# KiCad board chew_v1.kicad_pcb
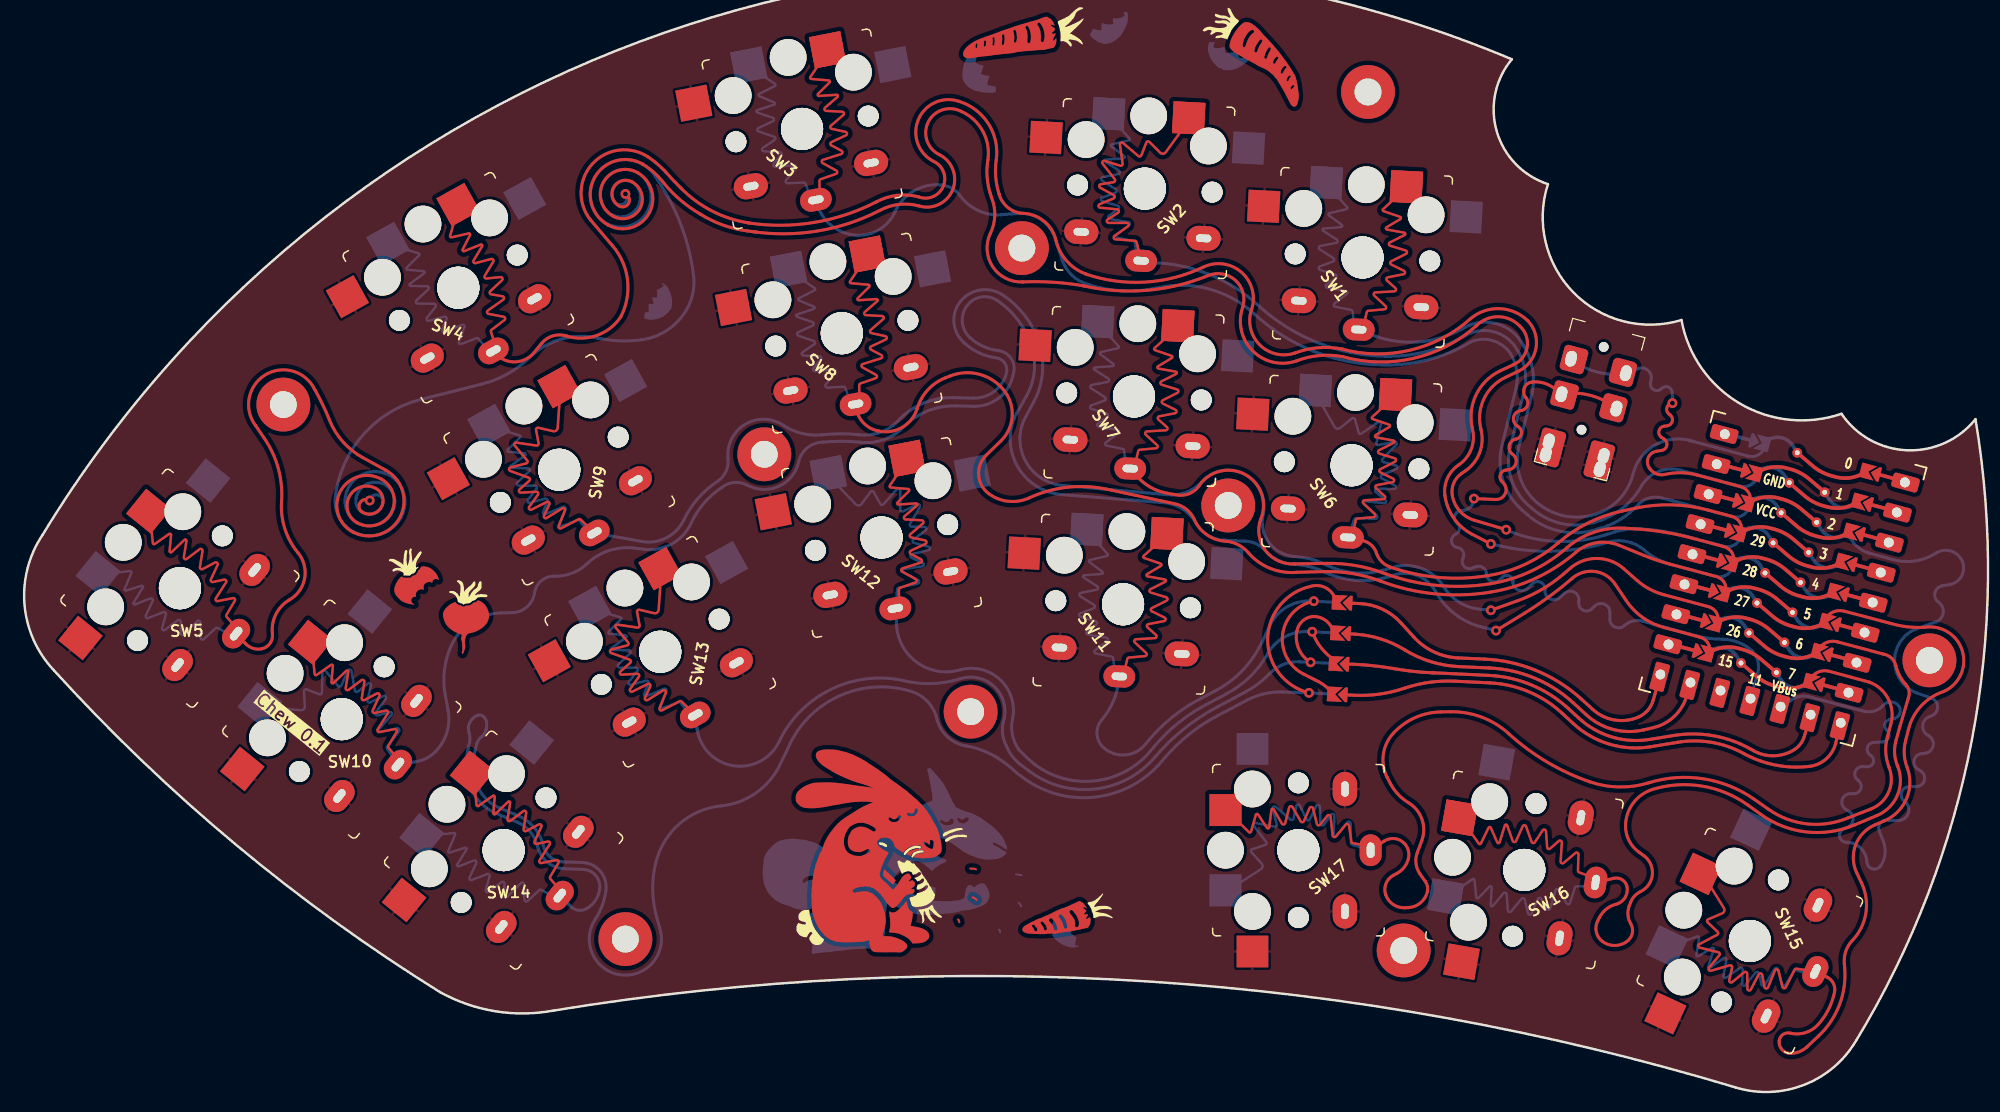
[diagram p0: board, top side]
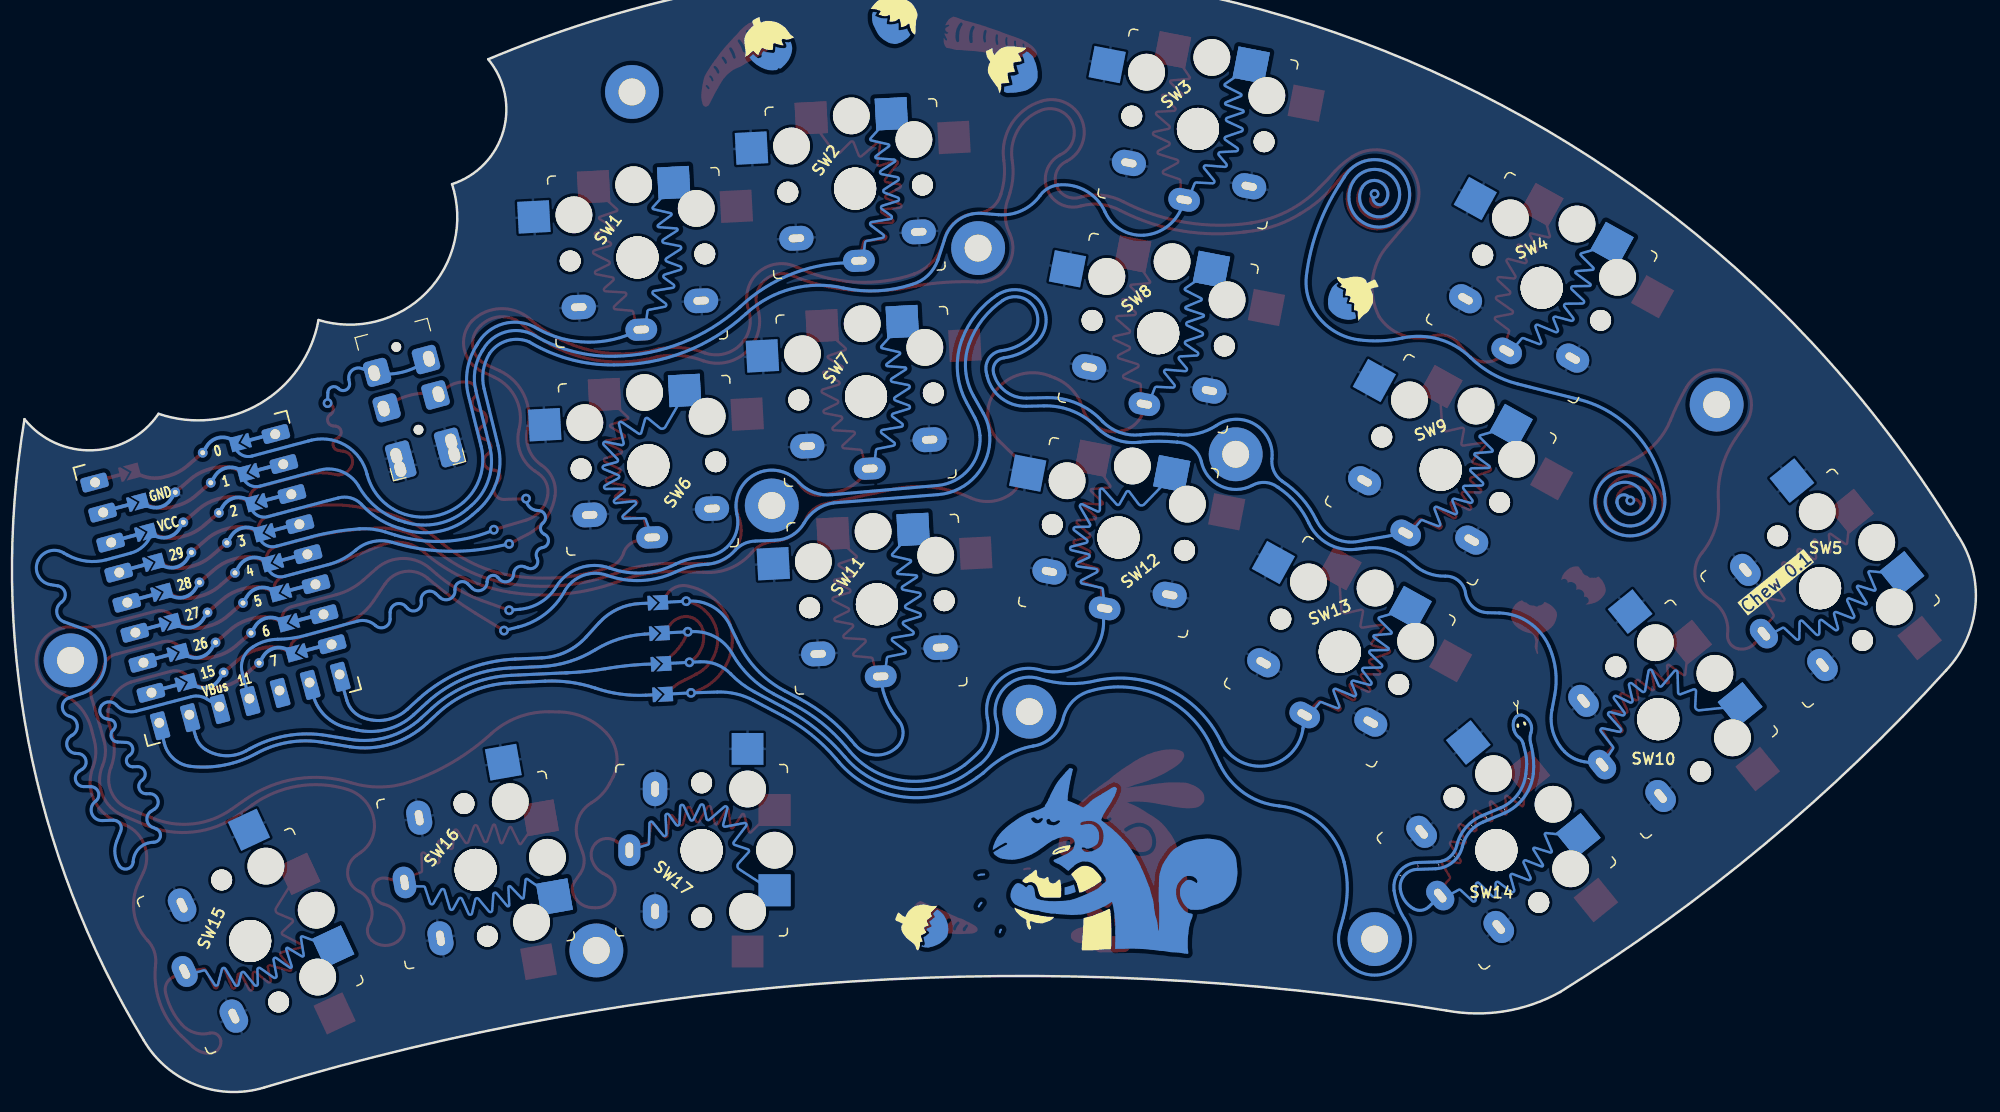
[diagram p1: board, bottom side, seen from below]

Outline 160.32 x 91.9 mm; copper layers: Top, Bottom. Coordinates in mm from the lower left corner of the outline.
Outline path: 1.51,45.53 arc(54.27,87.21) 121.44,84.37 arc(120.21,78.48) 124.39,74.17 arc(126.48,65.31) 135.29,63.07 arc(140.06,56.24) 148.35,55.41 arc(153.71,52.43) 159.29,54.97 arc(158.99,28.72) 149.56,4.23 arc(145.31,0.59) 139.72,0.37 arc(91.83,9.03) 43.22,6.66 arc(38.45,6.6) 33.94,8.17 arc(17.28,20.22) 2.43,34.45 arc(0.03,39.83) 1.51,45.53
Stack: Top 0.035mm / dielectric 1.51mm FR4 er 4.5 / Bottom 0.035mm

## Placement (name value [footprint] x y rotation side)
G***  -  [LOGO]  99.64 84.76 345 top
G***#2  -  [LOGO]  31.63 41.53 1 top
G***#3  -  [LOGO]  84.78 14.29 130 top
G***#4  -  [LOGO]  82.16 87.18 80 top
G***#5  -  [LOGO]  36.04 38.91 1 top
G***#6  -  [LOGO]  70.35 21.04 2 top
G***#7  -  [LOGO]  38.73 30.48 317 bottom
G***#8  -  [LOGO]  78.62 83.35 120 bottom
G***#9  -  [LOGO]  51.04 65.05 215 bottom
G***#10  -  [LOGO]  88.19 87.75 150 bottom
G***#11  -  [LOGO]  98.52 85.5 160 bottom
G***#12  -  [LOGO]  37.51 31.97 122 bottom
G***#13  -  [LOGO]  39.04 30.93 337 bottom
G***#14  -  [LOGO]  85.93 13.4 85 bottom
G***#15  -  [LOGO]  69.8 20.37 181 bottom
J2  AudioJack4dpb  [TRRS-PJ-DPB2]  129.36 62.41 345 top
NOREF  -  [420c2a85-5b5b-48ff-b81a-8100f601aced]  107.03 35.51 357 top
NOREF#2  -  [unnamed]  112.61 11.57 0 top
NOREF#3  -  [420c2a85-5b5b-48ff-b81a-8100f601aced]  107.29 40.5 357 top
NOREF#4  -  [unnamed]  21.16 56.16 0 top
NOREF#5  -  [unnamed]  109.7 81.7 0 top
NOREF#6  -  [420c2a85-5b5b-48ff-b81a-8100f601aced]  106.9 33.01 357 top
NOREF#7  -  [unnamed]  155.53 35.27 0 top
NOREF#8  -  [420c2a85-5b5b-48ff-b81a-8100f601aced]  107.16 38 357 top
NOREF#9  -  [unnamed]  49.08 12.49 0 top
REF**  Tenting Puck  [Tenting_Puck2]  79.36 50.01 353.7 top
RZ1  -  [RP2040-Zero]  131.82 32.93 345 top
SW1  SW_Push  [SW_PG1350_rev_DPB#2]  109.25 68.18 357 top
SW2  SW_Push  [SW_PG1350_rev_DPB#6]  91.49 73.8 357 top
SW3  SW_Push  [SW_PG1350_rev_DPB#5]  63.5 78.68 11 top
SW4  SW_Push  [SW_PG1350_rev_DPB#8]  35.44 65.7 29 top
SW5  SW_Push  [SW_PG1350_rev_DPB#4]  12.72 41.16 51 top
SW6  SW_Push  [SW_PG1350_rev_DPB#7]  108.36 51.2 357 top
SW7  SW_Push  [SW_PG1350_rev_DPB#2]  90.6 56.82 357 top
SW8  SW_Push  [SW_PG1350_rev_DPB#5]  66.75 61.99 11 top
SW9  SW_Push  [SW_PG1350_rev_DPB#3]  43.68 50.83 29 top
SW10  SW_Push  [SW_PG1350_rev_DPB]  25.93 30.46 51 top
SW11  SW_Push  [SW_PG1350_rev_DPB#2]  89.71 39.85 357 top
SW12  SW_Push  [SW_PG1350_rev_DPB]  69.99 45.3 11 top
SW13  SW_Push  [SW_PG1350_rev_DPB#3]  51.93 35.97 29 top
SW14  SW_Push  [SW_PG1350_rev_DPB#4]  39.14 19.76 51 top
SW15  SW_Push  [SW_PG1350_rev_DPB#6]  140.87 12.34 65 top
SW16  SW_Push  [SW_PG1350_rev_DPB#2]  122.46 18.14 80 top
SW17  SW_Push  [SW_PG1350_rev_DPB#7]  104.02 19.76 90 top

## Library data of the parts
J2 = -: Field4: TRRS; Field5: TRRS; Field6: Ring1; Field7: Sleeve; Field8: Ring2; Field9: Tip

## Footprints (pads in the part's own frame, mm; a bottom-side part is the same pattern mirrored in y, then rotated)
420c2a85-5b5b-48ff-b81a-8100f601aced
  custom 1.25x1.2 smd: (-0.254,-0.508)
  custom 1.25x1.2 smd far side: (-0.254,-0.508)
  custom 0.8x1.2 smd: (0.762,-0.508)
  custom 0.8x1.2 smd far side: (0.762,-0.508)
RP2040-Zero
  rrect 2.21x1.2 hole 0.813: (1.38,19.37) (1.38,21.91) (1.38,14.29) (1.38,11.75) (1.38,9.21) (1.38,6.67) (1.38,4.13) (1.38,16.83) (16.6,19.37) (16.6,14.29) (16.6,9.21) (16.6,21.91) (16.6,11.75) (16.6,6.67) (16.6,16.83) (16.6,4.13)
  rrect 1.2x2.3 hole 0.8: (1.38,1.59) (3.92,1.59) (6.46,1.59) (9,1.59) (11.54,1.59)
  rect 2.7x0.3 smd far side: (2.589,21.98) (2.589,14.36) (2.589,16.9) (2.589,11.82) (2.589,19.44) (2.589,4.2) (2.589,6.74) (2.589,9.28) (15.389,11.82) (15.389,4.2) (15.389,19.44) (15.389,16.9) (15.389,14.36) (15.389,9.28) (15.389,6.74)
  rect 2.7x0.3 smd: (2.589,14.36) (2.589,16.9) (2.589,11.82) (2.589,19.44) (2.589,4.2) (2.589,6.74) (2.589,9.28) (15.389,11.82) (15.389,4.2) (15.389,21.98) (15.389,19.44) (15.389,16.9) (15.389,14.36) (15.389,9.28) (15.389,6.74)
  custom 0.8x1.2 smd: (3.88,9.283) (3.88,11.823) (3.88,6.743) (3.88,4.203) (3.88,19.443) (3.88,16.903) (3.88,14.363) (14.097,16.903) (14.097,14.363) (14.097,21.983) (14.097,19.443) (14.097,11.823) (14.097,4.203) (14.097,9.283) (14.097,6.743)
  custom 0.8x1.2 smd far side: (3.88,9.283) (3.88,11.823) (3.88,6.743) (3.88,4.203) (3.88,19.443) (3.88,16.903) (3.88,21.983) (3.88,14.363) (14.097,16.903) (14.097,14.363) (14.097,19.443) (14.097,11.823) (14.097,4.203) (14.097,9.283) (14.097,6.743)
  rrect 1.2x2.2 hole 0.8: (14.08,1.59) (16.62,1.59)
  custom 2.975x1.148 smd far side: 0(4.889,22.38) 1(4.889,19.84) 2(4.889,17.3) 3(4.889,14.76) 4(4.889,12.22) 5(4.889,9.68) 6(4.889,7.14) 7(4.889,4.6) 15(13.089,3.8) 26(13.089,6.34) 27(13.089,8.88) 28(13.089,11.42) 29(13.089,13.96) 30(13.089,16.5) 31(13.089,19.04)
  custom 1.25x1.2 smd far side: 0(4.896,21.983) 1(4.896,19.443) 2(4.896,16.903) 3(4.896,14.363) 4(4.896,11.823) 5(4.896,9.283) 6(4.896,6.743) 7(4.896,4.203) 15(13.081,4.203) 26(13.081,6.743) 27(13.081,9.283) 28(13.081,11.823) 29(13.081,14.363) 30(13.081,16.903) 31(13.081,19.443)
  round 0.8 hole 0.4: 0(7.489,21.977) 1(7.489,19.437) 2(7.489,16.897) 3(7.489,14.357) 4(7.489,11.817) 5(7.489,9.277) 6(7.489,6.737) 7(7.489,4.197) 15(10.489,4.197) 26(10.489,6.737) 27(10.489,9.277) 28(10.489,11.817) 29(10.489,14.357) 30(10.489,16.897) 31(10.489,19.437)
  custom 1.25x1.2 smd: 0(13.081,21.983) 1(13.081,19.443) 2(13.081,16.903) 3(13.081,14.363) 4(13.081,11.823) 5(13.081,9.283) 6(13.081,6.743) 7(13.081,4.203) 15(4.896,4.203) 26(4.896,6.743) 27(4.896,9.283) 28(4.896,11.823) 29(4.896,14.363) 30(4.896,16.903) 31(4.896,19.443)
  custom 5.975x1.4 smd: 0(13.089,21.68) 1(13.089,19.14) 2(13.089,16.6) 3(13.089,14.06) 4(13.089,11.52) 5(13.089,8.98) 6(13.089,6.44) 7(13.089,3.9) 15(4.889,4.5) 26(4.889,7.04) 27(4.889,9.58) 28(4.889,12.12) 29(4.889,14.66) 30(4.889,17.2) 31(4.889,19.74)
SW_PG1350_rev_DPB
  round 1.702 hole 1.702 unplated: (-5.5,0) (-5.5,0) (5.5,0) (5.5,0)
  round 3 hole 3 unplated: (-5,3.75) (0,5.95) (5,3.75)
  round 3.429 hole 3.429 unplated: (0,0) (0,0) (0,0)
  rect 2.6x2.6 smd far side: 1(-3.275,5.95) 2(8.275,3.75)
  custom 8.413x13.252 smd far side: 1(-3.275,5.95)
  oval 2.6x1.8 hole 1.27x0.635: 1(0,-5.9)
  rect 2.6x2.6 smd: 1(3.275,5.95) 2(-8.275,3.75)
  custom 4.325x13.037 smd: 1(3.275,5.95)
  oval 2.8x2 hole 1.27x0.635: 2(-5,-3.8) 2(5,-3.8)
SW_PG1350_rev_DPB#2
  round 1.702 hole 1.702 unplated: (-5.5,0) (-5.5,0) (5.5,0) (5.5,0)
  round 3 hole 3 unplated: (-5,3.75) (0,5.95) (5,3.75)
  round 3.429 hole 3.429 unplated: (0,0) (0,0) (0,0)
  rect 2.6x2.6 smd far side: 1(-3.275,5.95) 2(8.275,3.75)
  custom 4.325x13.037 smd far side: 1(-3.275,5.95)
  oval 2.6x1.8 hole 1.27x0.635: 1(0,-5.9)
  rect 2.6x2.6 smd: 1(3.275,5.95) 2(-8.275,3.75)
  custom 4.325x13.037 smd: 1(3.275,5.95)
  oval 2.8x2 hole 1.27x0.635: 2(-5,-3.8) 2(5,-3.8)
SW_PG1350_rev_DPB#6
  round 1.702 hole 1.702 unplated: (-5.5,0) (-5.5,0) (5.5,0) (5.5,0)
  round 3 hole 3 unplated: (-5,3.75) (0,5.95) (5,3.75)
  round 3.429 hole 3.429 unplated: (0,0) (0,0) (0,0)
  rect 2.6x2.6 smd far side: 1(-3.275,5.95) 2(8.275,3.75)
  custom 4.325x13.037 smd far side: 1(-3.275,5.95)
  oval 2.6x1.8 hole 1.27x0.635: 1(0,-5.9)
  rect 2.6x2.6 smd: 1(3.275,5.95) 2(-8.275,3.75)
  custom 8.413x13.252 smd: 1(3.275,5.95)
  oval 2.8x2 hole 1.27x0.635: 2(-5,-3.8) 2(5,-3.8)
SW_PG1350_rev_DPB#7
  round 1.702 hole 1.702 unplated: (-5.5,0) (-5.5,0) (5.5,0) (5.5,0)
  round 3 hole 3 unplated: (-5,3.75) (0,5.95) (5,3.75)
  round 3.429 hole 3.429 unplated: (0,0) (0,0) (0,0)
  rect 2.6x2.6 smd far side: 1(-3.275,5.95) 2(8.275,3.75)
  custom 8.413x13.252 smd far side: 1(-3.275,5.95)
  oval 2.6x1.8 hole 1.27x0.635: 1(0,-5.9)
  rect 2.6x2.6 smd: 1(3.275,5.95) 2(-8.275,3.75)
  custom 4.325x13.037 smd: 1(3.275,5.95)
  oval 2.8x2 hole 1.27x0.635: 2(-5,-3.8) 2(5,-3.8)
SW_PG1350_rev_DPB#3
  round 1.702 hole 1.702 unplated: (-5.5,0) (-5.5,0) (5.5,0) (5.5,0)
  round 3 hole 3 unplated: (-5,3.75) (0,5.95) (5,3.75)
  round 3.429 hole 3.429 unplated: (0,0) (0,0) (0,0)
  rect 2.6x2.6 smd far side: 1(-3.275,5.95) 2(8.275,3.75)
  custom 4.325x13.037 smd far side: 1(-3.275,5.95)
  oval 2.6x1.8 hole 1.27x0.635: 1(0,-5.9)
  rect 2.6x2.6 smd: 1(3.275,5.95) 2(-8.275,3.75)
  custom 8.413x13.252 smd: 1(3.275,5.95)
  oval 2.8x2 hole 1.27x0.635: 2(-5,-3.8) 2(5,-3.8)
SW_PG1350_rev_DPB#8
  round 1.702 hole 1.702 unplated: (-5.5,0) (-5.5,0) (5.5,0) (5.5,0)
  round 3 hole 3 unplated: (-5,3.75) (0,5.95) (5,3.75)
  round 3.429 hole 3.429 unplated: (0,0) (0,0) (0,0)
  rect 2.6x2.6 smd far side: 1(-3.275,5.95) 2(8.275,3.75)
  custom 4.325x13.037 smd far side: 1(-3.275,5.95)
  oval 2.6x1.8 hole 1.27x0.635: 1(0,-5.9)
  rect 2.6x2.6 smd: 1(3.275,5.95) 2(-8.275,3.75)
  custom 4.325x13.037 smd: 1(3.275,5.95)
  oval 2.8x2 hole 1.27x0.635: 2(-5,-3.8) 2(5,-3.8)
SW_PG1350_rev_DPB#4
  round 1.702 hole 1.702 unplated: (-5.5,0) (-5.5,0) (5.5,0) (5.5,0)
  round 3 hole 3 unplated: (-5,3.75) (0,5.95) (5,3.75)
  round 3.429 hole 3.429 unplated: (0,0) (0,0) (0,0)
  rect 2.6x2.6 smd far side: 1(-3.275,5.95) 2(8.275,3.75)
  custom 4.325x13.037 smd far side: 1(-3.275,5.95)
  oval 2.6x1.8 hole 1.27x0.635: 1(0,-5.9)
  rect 2.6x2.6 smd: 1(3.275,5.95) 2(-8.275,3.75)
  custom 4.325x13.037 smd: 1(3.275,5.95)
  oval 2.8x2 hole 1.27x0.635: 2(-5,-3.8) 2(5,-3.8)
SW_PG1350_rev_DPB#5
  round 1.702 hole 1.702 unplated: (-5.5,0) (-5.5,0) (5.5,0) (5.5,0)
  round 3 hole 3 unplated: (-5,3.75) (0,5.95) (5,3.75)
  round 3.429 hole 3.429 unplated: (0,0) (0,0) (0,0)
  rect 2.6x2.6 smd far side: 1(-3.275,5.95) 2(8.275,3.75)
  custom 4.325x13.037 smd far side: 1(-3.275,5.95)
  oval 2.6x1.8 hole 1.27x0.635: 1(0,-5.9)
  rect 2.6x2.6 smd: 1(3.275,5.95) 2(-8.275,3.75)
  custom 4.325x13.037 smd: 1(3.275,5.95)
  oval 2.8x2 hole 1.27x0.635: 2(-5,-3.8) 2(5,-3.8)
Tenting_Puck2
  round 4.4 hole 2.2: (-19.05,0) (0,-19.05) (0,19.05) (19.05,0)
TRRS-PJ-DPB2
  round 0.8 hole 0.8 unplated: (0,-1.6) (0,-8.6)
  rrect 2x2.1 hole 0.9x1.3: R1(-2.33,-6.22) R1(2.3,-6.2) R2(-2.33,-3.22) R2(2.3,-3.2) T(-2.33,-10.22) T(2.3,-10.2)
  rrect 2x1.7 hole 0.9x1.3: S(-2.3,-11.3) S(2.27,-11.32)
unnamed
  round 4.4 hole 2.2: (0,0)

## Nets
gnd: J2.S J2.T RZ1.31 SW1.2 SW2.2 SW3.2 SW4.2 SW5.2 SW6.2 SW7.2 SW8.2 SW9.2 SW10.2 SW11.2 SW12.2 SW13.2 SW14.2 SW15.2 SW16.2 SW17.2
vcc: J2.R2 RZ1.30
Switch1: RZ1.0 SW1.1
Switch2: RZ1.1 SW2.1
Switch3: RZ1.2 SW3.1 SW5.1
Switch4: RZ1.3 SW4.1
Switch5: RZ1.4
Switch6: RZ1.29 SW6.1
Switch7: RZ1.28 SW7.1
Switch8: RZ1.27 SW8.1
Switch9: RZ1.26 SW9.1
Switch10: RZ1.15 SW10.1
Switch11: SW11.1
Switch11|Switch14: NOREF#3. NOREF#6.
Switch12: SW12.1
Switch12|Switch13: NOREF. NOREF#8.
Switch13: SW13.1
Switch14: SW14.1
Switch15: RZ1.5 SW15.1
Switch16: RZ1.6 SW16.1
Switch17: RZ1.7 SW17.1
Switch18: J2.R1

## Via types
v1: diameter 0.8, hole 0.4, Top to Bottom, 12 vias

## Routing (per net, layer and track width the routed paths; a pad name or vN(x,y) marks a point on that pad's centre or on a via; arc(x,y) is an arc through that point)
vcc: length 107.1
  Top w0.25: 134.52,56.22 v1(134.55,56.28) 134.51,56.27 arc(134.09,55.89) 134.29,55.36 134.34,55.33 arc(134.54,54.8) 134.12,54.42 133.88,54.39 arc(133.45,54.01) 133.66,53.48 133.89,53.33 arc(134.1,52.81) 133.69,52.42 133.23,52.34 arc(132.58,51.83) 132.66,51 132.7,50.94 arc(133.24,50.5) 133.94,50.45 arc(135.24,50.59) 136.52,50.41 140.07,49.46 arc(140.78,48.95) 140.87,48.07
  Bottom w0.25: 143.38,31.48 144.42,32.12 arc(145.03,32.34) 145.68,32.3 150.17,31.11 arc(151.04,31.13) 151.77,31.6 arc(152.41,31.88) 153.02,31.55 arc(153.1,30.91) 152.61,30.49 152.26,30.42 arc(151.89,30.07) 152.04,29.58 arc(152.21,28.98) 151.71,28.6 150.98,28.56 arc(150.46,28.13) 150.73,27.51 arc(150.95,26.94) 150.46,26.57 150.06,26.58 arc(149.47,26.16) 149.7,25.47 arc(149.94,24.79) 149.36,24.37 149.07,24.37 arc(148.41,23.88) 148.69,23.1 148.97,22.92 arc(149.3,22.21) 148.79,21.61 148.53,21.49 arc(148.2,20.86) 148.76,20.4 arc(149.91,19.94) 150.42,18.8 arc(150.88,18.23) 151.57,18.49 arc(151.91,19.46) 151.77,20.48 151.44,21.32 arc(151.5,21.93) 152.04,22.2 152.95,22.18 arc(153.8,22.76) 153.49,23.75 arc(153.26,24.49) 153.88,24.95 154.46,24.95 arc(155.12,25.45) 154.82,26.22 154.59,26.36 arc(154.28,27.12) 154.9,27.65 155.13,27.67 arc(155.83,28.25) 155.48,29.1 155.38,29.16 arc(154.99,30.01) 155.61,30.7 arc(156.2,31.43) 155.67,32.2 154.58,32.57 arc(152.69,35.08) 154.3,37.78 156.06,38.41 arc(156.66,39.15) 156.28,40.02 arc(155.98,40.79) 156.58,41.35 157.16,41.45 arc(158.17,42.19) 158.18,43.43 arc(157.26,44.2) 156.08,44.03 155.8,43.88 arc(154.23,43.37) 152.59,43.49 150.63,44.02 arc(149.58,44.6) 148.93,45.61 RZ1.30 ; v1(134.55,56.28) 134.53,57.14 arc(134.21,57.6) 133.66,57.47 arc(133.04,57.36) 132.76,57.92 132.81,58.22 arc(132.54,58.97) 131.76,59.1 J2.R2 130.43,58.69 arc(128.23,58.86) J2.R2
(no net): length 299.6
  Top w0.25: 145.85,30.82 145.31,29.03 arc(145.01,28.44) 144.52,27.98 arc(142.87,27.47) 141.19,27.88 140.9,28.04 arc(137.87,29.11) 134.65,29.12 132.71,28.81 arc(129.62,29) 126.92,30.53 126.05,31.33 arc(123.04,33.25) 119.56,34.04 114.9,34.25 ; 148.3,30.16 147.87,28.47 arc(147.09,27.2) 145.73,26.6 arc(142.97,26.71) 140.38,27.65 arc(137.76,28.56) 135,28.57 132.76,28.2 arc(129.39,28.42) 126.46,30.1 125.55,30.94 arc(122.81,32.7) 119.63,33.42 116.79,33.56 arc(114.72,33.47) 112.71,33 112.61,32.97 arc(110.62,32.5) 108.57,32.41 107.64,32.46 ; 108.03,39.95 109.03,39.9 arc(110.87,39.45) 112.4,38.32 113.43,37.17 arc(115.08,35.95) 117.07,35.46 119.23,35.36 arc(123.44,34.43) 127.1,32.12 128.06,31.25 arc(129.8,30.39) 131.74,30.61 arc(132.52,31.17) 132.98,32.01 133.58,34.11 ; 136.04,33.45 135.7,32.32 arc(134.7,30.68) 133,29.77 132.21,29.59 arc(129.72,29.62) 127.52,30.81 126.44,31.8 arc(123.28,33.82) 119.62,34.64 117.14,34.75 arc(114.84,35.15) 112.7,36.12 arc(110.76,37.01) 108.67,37.4 107.9,37.45 ; 107.84,34.97 arc(109.85,34.85) 111.86,34.58 arc(113.48,34.35) 115.13,34.24
  Bottom w0.25: 145.85,30.82 145.31,29.03 arc(145.01,28.44) 144.52,27.99 arc(142.87,27.47) 141.19,27.88 140.9,28.04 arc(137.87,29.11) 134.65,29.13 132.71,28.81 arc(129.62,29.01) 126.92,30.54 126.05,31.34 arc(123.04,33.26) 119.56,34.04 114.9,34.26 ; 136.04,33.45 135.71,32.33 arc(134.7,30.69) 133,29.77 132.22,29.59 arc(129.72,29.62) 127.53,30.82 126.44,31.81 arc(123.28,33.83) 119.62,34.64 117.15,34.76 arc(114.84,35.16) 112.7,36.12 arc(110.77,37.01) 108.67,37.41 107.9,37.46 ; 133.58,34.11 132.98,32.01 arc(132.52,31.17) 131.74,30.62 arc(129.81,30.4) 128.06,31.25 127.1,32.12 arc(123.45,34.43) 119.23,35.37 117.07,35.47 arc(115.08,35.96) 113.44,37.18 112.4,38.32 arc(110.88,39.45) 109.03,39.91 108.03,39.95 ; 148.31,30.17 147.87,28.48 arc(147.09,27.21) 145.73,26.61 arc(142.97,26.71) 140.38,27.65 arc(137.77,28.57) 135,28.58 132.76,28.21 arc(129.39,28.43) 126.46,30.1 125.55,30.94 arc(122.81,32.71) 119.63,33.43 116.79,33.56 arc(114.72,33.47) 112.71,33 112.62,32.97 arc(110.62,32.51) 108.57,32.42 107.64,32.46 ; 115.13,34.24 arc(113.49,34.36) 111.86,34.58 arc(109.85,34.86) 107.84,34.97
Switch1: length 50.8
  Bottom w0.25: 135.87,53.25 140.7,51.96 arc(141.52,52.03) 142.08,52.63 ; 123.05,56.88 122.02,52.74 arc(122.1,50.23) 123.5,48.15 arc(125.73,47.07) 128.21,47.19 arc(130.21,48.43) 131.34,50.49 ; 122.3,61.13 122.44,60.9 arc(123.15,58.95) 123.05,56.89 ; 109.19,62.23 arc(113.33,61.26) 117.43,62.37 arc(120.19,62.77) 122.36,61.03 ; 131.32,50.43 arc(133.13,52.86) 136.14,53.18
Switch2: length 68.3
  Bottom w0.25: 122.45,57.28 121.31,52.69 arc(121.39,50.08) 122.83,47.9 123.16,47.61 arc(125.57,46.43) 128.25,46.56 128.76,46.72 ; 135.23,50.79 140.06,49.5 arc(140.88,49.57) 141.44,50.17 ; 121.86,60.65 121.95,60.5 arc(122.52,58.94) 122.45,57.29 ; 135.36,50.76 arc(133.48,50.72) 132.03,49.53 arc(130.63,47.81) 128.71,46.71 ; 91.36,67.74 arc(96.49,66.89) 100.89,64.13 arc(105.63,61.2) 111.08,60.11 arc(114.5,60.5) 117.68,61.82 arc(120.02,62.09) 121.87,60.64
Switch3: length 170.1
  Top w0.25: 17.3,37.42 18.09,36.61 arc(18.69,36.24) 19.39,36.21 arc(20.07,36.64) 20.27,37.42 arc(20.54,39) 21.62,40.18 21.7,40.23 arc(22.9,41.99) 22.35,44.05 arc(21.28,46.01) 21.02,48.23 arc(20.75,50.92) 19.62,53.38 18.88,54.47 arc(19.61,58.54) 23.63,57.56 23.76,57.33 arc(24.38,56.14) 24.92,54.9 24.92,54.9 arc(26.01,53.13) 27.64,51.83 29.51,50.8 arc(30.69,46.94) 26.82,45.75 arc(25.81,49.08) 29.14,50.08 arc(29.96,47.3) 27.17,46.5 arc(26.55,48.67) 28.72,49.31
  Bottom w0.25: 84.75,67.93 84.19,69.64 arc(83.05,71.25) 81.14,71.78 79.78,71.67 arc(77.88,72.01) 76.39,73.24 arc(75.75,73.82) 74.94,74.09 arc(72.65,73.63) 71.09,71.9 arc(69.81,70.46) 67.93,69.99 arc(65.93,70.76) 64.73,72.54 SW3.1 ; 121.78,57.45 120.63,52.8 arc(120.72,49.94) 122.28,47.54 122.73,47.15 arc(125.4,45.81) 128.38,45.97 ; 128.35,45.97 arc(130.23,46.73) 131.8,48.03 arc(132.68,48.54) 133.69,48.53 134.57,48.3 139.4,47.01 arc(140.22,47.08) 140.78,47.68 ; 84.73,68 arc(85.55,66.71) 86.87,65.97 arc(89.63,65.45) 92.43,65.68 arc(96.68,65.62) 100.4,63.58 arc(105.39,60.46) 111.17,59.4 arc(114.76,59.85) 118.08,61.28 arc(119.88,61.38) 121.33,60.33 ; 121.34,60.32 arc(121.84,58.93) 121.78,57.45
Switch4: length 173.9
  Top w0.25: 86.67,66.83 86.67,66.83 arc(85.12,67.88) 84.24,69.53 arc(83.31,71.09) 81.62,71.78 arc(80.37,72.2) 79.61,73.28 ; v1(120.98,45.94) 118.37,46.71 arc(117.18,47.47) 116.58,48.74 arc(116.7,49.75) 117.35,50.54 117.64,50.73 arc(118.82,52.24) 118.92,54.14 ; 122,58.89 120.92,58.38 arc(119.16,56.62) 118.92,54.14 ; 59.23,70.99 59.09,71.01 arc(56.15,71.97) 53.66,73.79 53.56,73.9 arc(52.93,74.54) 52.32,75.22 arc(51.65,75.84) 50.92,76.4 arc(46.38,75.82) 46.23,71.25 48.05,69.11 arc(49.26,66.32) 48.7,63.33 arc(46.74,61.8) 44.26,61.76 arc(43.16,61.77) 42.25,61.16 41.62,60.4 arc(39.93,59.64) SW4.1 ; 79.61,73.28 79.59,73.35 arc(79.31,74.73) 79.35,76.14 ; 107.52,60.71 arc(113.12,60.6) 118.1,63.2 arc(120.46,63.99) 122.75,63.01 arc(123.41,60.72) 121.93,58.86 ; 86.65,66.83 arc(91.52,66.16) 96.27,67.4 arc(99.38,66.96) 100.2,63.94 arc(100.87,61.03) 103.78,60.39 ; 107.64,60.69 arc(105.64,60.8) 103.68,60.35 ; 59.11,71 arc(64.48,71.04) 69.57,72.72 arc(71.25,73.25) 73.01,73.13 arc(75.03,73.99) 74.23,76.03 arc(73,79.44) 76.31,80.93 arc(78.72,79.08) 79.35,76.11
  Bottom w0.25: 121,45.91 v1(120.98,45.94) 121.25,45.81 arc(125.13,44.98) 129.05,45.51 129.85,45.76 arc(130.88,45.98) 131.94,46.01 131.94,46.01 arc(133.89,45.78) 135.8,45.37 138.73,44.59 arc(139.55,44.66) 140.11,45.26
Switch5: length 298.4
  Top w0.25: v1(119.73,44.78) 118.23,45.55 arc(116.72,46.85) 115.98,48.71 arc(116.18,50.13) 117.1,51.22 arc(118.13,52.51) 118.23,54.16 ; 59.82,70.24 59.01,70.35 arc(56.98,70.85) 55.11,71.77 ; 121.58,59.42 120.51,58.92 arc(118.52,56.95) 118.23,54.16 ; 78.96,73.1 78.84,73.47 arc(78.61,74.79) 78.67,76.13 ; 50.5,75.8 50.5,75.8 arc(46.59,74.75) 47.64,70.84 arc(51,71.75) 50.07,75.11 arc(47.29,74.32) 48.09,71.54 arc(50.26,72.17) 49.64,74.34 arc(48.11,73.89) 48.6,72.37 arc(49.35,72.62) 49.1,73.37 ; 59.39,70.3 arc(64.76,70.34) 69.85,72.02 arc(71.41,72.51) 73.03,72.39 arc(75.79,73.67) 74.78,76.54 arc(73.79,79.21) 76.49,80.11 arc(78.25,78.49) 78.67,76.14 ; 28.19,48.33 arc(27.42,48.14) 27.6,47.38 arc(29.15,47.77) 28.72,49.31 ; 103.89,59.74 arc(100.29,60.54) 99.48,64.14 arc(98.88,66.3) 96.67,66.71 arc(91.63,65.49) 86.45,65.87 ; 121.53,59.4 arc(122.69,60.83) 122.09,62.58 arc(120.33,63.34) 118.56,62.61 arc(113.41,59.93) 107.61,60.08 ; 78.96,73.1 arc(79.24,71.61) 78.87,70.14 arc(79.07,67.41) 81.51,66.18 81.51,66.18 arc(84.02,66.15) 86.51,65.86 ; 50.48,75.81 arc(51.43,75.11) 52.23,74.24 arc(53.62,72.83) 55.24,71.7 ; 103.86,59.72 arc(105.73,60.16) 107.64,60.07
  Bottom w0.25: 119.75,44.78 v1(119.73,44.78) 120.74,44.56 arc(125.01,44.18) 129.23,44.89 129.27,44.9 arc(130.85,44.97) 132.26,44.27 arc(133.3,43.55) 134.48,43.09 138.06,42.13 arc(138.88,42.2) 139.44,42.8 ; 51.55,74.75 51.55,74.75 ; 51.55,74.75 51.99,74.07 arc(53.73,70.53) 54.65,66.7 arc(54.61,65.35) 54.16,64.06 arc(52.6,62.31) 50.4,61.45 arc(48.6,61.37) 46.8,61.6 arc(43.82,61.5) 41.24,60 arc(39.47,58.67) 37.42,57.85 32.41,56.58 arc(27.75,53.77) 25.44,48.84 25.43,48.84 arc(27.7,45.48) 31.05,47.75 arc(29.1,50.63) 26.23,48.66 arc(27.87,46.28) 30.24,47.94 arc(28.95,49.79) 27.09,48.51 arc(28.02,47.2) 29.3,48.16 arc(28.82,48.78) 28.19,48.3 ; 51.55,74.75 arc(47.64,75.8) 46.6,71.89 arc(49.96,71) 50.84,74.37 arc(48.03,75.08) 47.33,72.27 arc(49.52,71.73) 50.08,73.92 arc(48.53,74.29) 48.19,72.73 arc(48.96,72.58) 49.12,73.35
  vias: v1(28.21,48.32) v1(49.09,73.36)
Switch6: length 35.7
  Top w0.25: SW6.1 109.28,45.04 arc(109.97,44.69) 110.38,44.04 arc(110.81,43.33) 111.51,42.89 arc(115.49,42.04) 119.55,42.19 arc(122.58,43.14) 125.23,44.87 arc(127.67,46.49) 130.44,47.46 131.52,47.69 arc(134.51,47.97) 137.49,47.54 139.35,47.04 arc(140.06,46.52) 140.15,45.65
Switch7: length 58.8
  Top w0.25: SW7.1 90.84,50.31 arc(91.96,49.4) 93.31,48.92 93.99,48.8 arc(95.05,48.86) 95.9,49.51 arc(99.67,50.45) 100.93,46.78 arc(101.35,44.21) 103.73,43.15 106.34,43.19 arc(108.65,43.01) 110.88,42.42 111.11,42.34 arc(115.35,41.38) 119.71,41.53 arc(123.02,42.55) 125.92,44.45 arc(128.12,45.72) 130.65,46.06 131.47,46.01 arc(133.85,45.74) 136.19,45.24 138.7,44.57 arc(139.41,44.05) 139.5,43.18
Switch8: length 91
  Top w0.25: 138.87,40.74 arc(138.78,41.61) 138.07,42.13 134.31,43.13 arc(133.25,43.45) 132.21,43.84 130.19,44.67 arc(128.35,44.87) 126.67,44.09 arc(123.41,41.98) 119.69,40.84 arc(115.14,40.7) 110.71,41.74 110.71,41.74 arc(108.47,42.35) 106.16,42.51 103.87,42.46 arc(101.73,42.77) 99.96,44.03 arc(99.14,44.69) 98.13,44.99 arc(96.58,45.5) 95.53,46.76 arc(94.86,47.62) 93.87,48.07 88.4,49.24 arc(85.17,49.4) 82.05,48.54 arc(80.36,48.26) 78.76,48.87 arc(77.92,50.4) 78.54,52.03 79.73,53.19 arc(80.65,55.19) 80.01,57.29 arc(78,58.63) 75.6,58.5 75.21,58.35 arc(73.77,57.36) 72.9,55.84 arc(71.69,54.3) 69.75,54 69.67,54.02 arc(68.4,54.8) SW8.1
Switch9: length 136
  Top w0.25: 119.77,39.36 v1(119.73,39.36) 121.96,40.15 arc(123.91,41.07) 125.66,42.32 126.2,42.79 arc(128.39,43.59) 130.57,42.76 131.64,41.81 arc(132.67,41.09) 133.85,40.63 137.43,39.67 arc(138.14,39.15) 138.23,38.28
  Bottom w0.25: v1(119.73,39.36) 118.85,39.44 arc(117.15,40.01) 115.89,41.27 arc(113.97,42.81) 111.51,42.8 arc(108.81,42.41) 106.16,43.12 arc(105.27,43.48) 104.32,43.67 103.57,43.77 arc(101.58,44.94) 101.14,47.21 arc(99.62,50.48) 96.07,49.8 arc(94.83,48.98) 93.35,48.8 84.78,49.55 arc(82.2,50.88) 81.3,53.63 arc(81.43,54.39) 81.73,55.11 82.4,56.35 arc(83.13,58.87) 82.76,61.47 arc(81.62,63.52) 79.89,65.11 arc(78.3,65.54) 76.76,64.93 arc(75.89,63.12) 76.67,61.26 76.75,61.19 arc(77.95,60.38) 79.35,59.98 arc(80.05,59.55) 80.19,58.75 arc(79.21,57.24) 77.5,56.69 75.84,56.72 arc(73.35,56.24) 71.28,54.77 arc(69.87,53.88) 68.21,53.69 68.1,53.7 arc(66.61,53.77) 65.12,53.69 65.12,53.69 arc(63.5,53.8) 62.01,54.44 arc(58.87,54.56) 57.46,51.75 arc(57.3,50.71) 56.63,49.91 arc(55.02,48.51) 53.84,46.72 arc(52.43,45.27) 50.42,44.97 SW9.1 46.6,45.63
Switch10: length 159.3
  Top w0.25: 120.19,37.71 v1(120.15,37.7) 122.48,39.11 arc(124.48,40.46) 126.38,41.97 126.39,41.98 arc(128.22,42.52) 129.86,41.51 130.79,40.13 arc(132.12,38.76) 133.84,37.95 136.74,37.18 arc(137.45,36.66) 137.54,35.79
  Bottom w0.25: v1(120.15,37.7) 118.99,37.99 arc(116.8,39.05) 115.21,40.89 arc(113.71,42.19) 111.73,42.21 arc(108.92,41.79) 106.17,42.47 arc(105.01,42.89) 103.8,43.1 103.52,43.12 arc(102.27,43.48) 101.25,44.29 arc(100.51,44.81) 99.63,45.01 98.02,45.08 arc(96.66,45.46) 95.66,46.47 arc(94.64,47.58) 93.23,48.13 84.72,48.8 arc(81.62,50.36) 80.5,53.64 arc(80.66,54.58) 81.03,55.45 81.82,56.86 arc(82.47,58.98) 82.17,61.17 arc(81.07,63.13) 79.44,64.66 arc(78.31,64.97) 77.23,64.52 arc(76.57,63.07) 77.22,61.61 arc(78.3,60.91) 79.53,60.56 arc(80.55,59.95) 80.78,58.78 80.71,58.5 arc(79.56,56.69) 77.52,56.02 76.06,56.05 arc(73.69,55.61) 71.7,54.24 arc(70.18,53.29) 68.39,53.07 68.21,53.09 arc(66.7,53.16) 65.19,53.09 65.19,53.09 arc(63.93,52.62) 63.22,51.48 arc(61.62,49.49) 59.07,49.56 arc(58,49.8) 56.98,49.41 56.96,49.39 arc(55.5,48.11) 54.45,46.48 arc(52.88,44.78) 50.6,44.34 49.8,44.43 arc(47.73,44.23) 45.95,43.16 arc(44.73,42.38) 43.31,42.14 arc(42.22,41.77) 41.66,40.76 arc(41.05,39.63) 39.85,39.16 38.92,39.14 arc(36.5,38.37) 34.86,36.44 arc(34.31,34.46) 34.38,32.4 34.61,31.22 arc(34.51,29.39) 33.58,27.81 arc(32.85,27.27) 31.99,26.99 SW10.1
Switch11: length 41.2
  Top w0.25: v1(105.28,40.1) arc(102.73,37.41) 104.46,34.13 105.34,33.69 arc(106.04,33.29) 106.65,32.77
  Bottom w0.25: SW11.1 89.36,33.65 arc(88.91,31.92) 87.96,30.39 arc(87.58,29.25) 88.09,28.16 arc(89.84,27.53) 91.5,28.37 91.81,28.75 arc(93.72,30.62) 95.95,32.09 97.23,32.77 arc(99.45,34.44) 101.03,36.72 101.71,38.13 arc(103.04,39.61) 104.97,40.11 v1(105.28,40.1) 107.01,40.01
Switch12: length 52.2
  Top w0.25: 107.03,35.25 arc(105.89,36.27) v1(105.15,37.6)
  Bottom w0.25: 106.88,37.51 v1(105.15,37.6) 104.72,37.61 arc(102.87,37.15) 101.51,35.8 arc(100.07,33.93) 98.15,32.53 96.45,31.63 arc(94.2,30.14) 92.27,28.25 91.93,27.84 arc(87.46,25.43) 82.54,26.72 arc(81.85,27.32) 81.21,27.96 arc(80.67,29.21) 80.7,30.56 ; 71.31,39.3 arc(72.5,35.41) 76.47,34.51 arc(79.7,33.66) 80.68,30.47
Switch13: length 73.7
  Top w0.25: 106.89,37.51 arc(106.3,38.48) 105.21,38.85 arc(104.36,38.48) 103.9,37.67 arc(104.05,36.21) v1(105.02,35.1)
  Bottom w0.25: SW13.1 54.93,29.7 arc(57.89,26.66) 61.64,28.66 arc(65.82,32.88) 71.71,33.63 arc(74.1,33.37) 76.46,33.78 arc(79.26,33.05) 79.93,30.24 ; 106.75,35.01 v1(105.02,35.1) 104.12,35.15 arc(102.78,34.92) 101.65,34.16 arc(100.74,33.35) 99.72,32.7 97.36,31.44 arc(94.65,29.64) 92.32,27.37 arc(87.44,24.76) 82.1,26.18 81.26,26.8 arc(80.64,27.46) 80.19,28.24 arc(79.88,29.23) 79.94,30.28
Switch14: length 148.6
  Top w0.25: v1(104.88,32.61) arc(101.51,37.02) 105.04,41.31 arc(106.32,41.15) 107.08,40.1
  Bottom w0.25: 43.96,15.8 44.66,15.13 arc(45.25,14.85) 45.9,14.98 arc(46.63,15.65) 46.98,16.58 arc(46.66,17.68) 45.63,18.19 44.1,18.24 arc(42.71,18.78) 41.92,20.04 41.91,20.09 arc(41.31,21.27) 40.23,22.05 38.45,22.8 arc(36.87,24.1) 36.12,26.02 arc(36.11,27.15) 36.29,28.26 36.36,28.56 arc(36.4,28.95) 36.32,29.34 arc(36.27,29.59) 36.28,29.85 arc(36.37,30.16) 36.55,30.44 36.63,30.53 arc(36.82,30.69) 37.05,30.78 arc(37.31,30.78) 37.52,30.65 arc(37.65,30.48) 37.73,30.29 arc(37.77,29.98) 37.72,29.67 37.7,29.56 arc(37.55,29.23) 37.3,28.97 arc(37.08,28.74) 36.95,28.45 36.84,27.98 36.77,27.7 arc(36.68,27.09) 36.69,26.47 36.74,25.98 arc(37.38,24.34) 38.76,23.23 40.35,22.56 arc(41.66,21.59) 42.38,20.12 arc(42.95,19.19) 43.96,18.8 45.55,18.75 arc(47.03,18.04) 47.49,16.46 arc(47.19,15.25) 46.63,14.13 ; 106.62,32.52 v1(104.88,32.61) 102.73,32.68 arc(101.22,32.53) 99.79,32 97.42,30.75 arc(95.07,29.2) 93.06,27.24 92.83,26.97 arc(87.46,24.1) 81.57,25.66 81.04,26.05 arc(80.28,26.72) 79.45,27.3 arc(78.23,27.91) 76.92,28.27 ; 76.98,28.26 arc(75.46,28.95) 74.54,30.35 arc(73.8,31.85) 72.38,32.74 arc(66.44,32.31) 62.32,28.02 61.69,26.72 arc(59.72,24.42) 56.89,23.37 arc(53.5,21.91) 51.57,18.76 arc(51.31,16.51) 51.64,14.27 51.88,13.41 arc(48.67,9.58) 46.64,14.15
Switch15: length 63
  Top w0.25: SW15.1 147.17,9.39 arc(147.69,8.87) 147.78,8.13 arc(147.29,6.74) 146.46,5.53 arc(145.42,4.85) 144.18,4.81 arc(143.58,4.7) 143.26,4.18 arc(143.5,3.46) 144.19,3.16 arc(144.92,3.3) 145.54,3.7 146.48,4.59 arc(148.18,7.13) 148.61,10.15 148.58,10.52 arc(148.71,11.52) 149.24,12.38 arc(150.34,14.61) 149.99,17.07 149.59,17.92 arc(149.5,20.18) 151.07,21.82 151.86,22.16 arc(153.66,23.97) 153.71,26.52 arc(153.48,27.6) 153.58,28.69 153.81,29.59 arc(154.84,31.53) 156.69,32.72 arc(158.22,36.01) 155.16,37.97 arc(153.78,38) 152.42,38.27 148.61,39.27 arc(147.7,39.23) 147.02,38.63
Switch16: length 66.3
  Top w0.25: SW16.1 129.78,17.46 arc(130.44,17.35) 130.83,16.81 arc(130.69,15.89) 129.94,15.34 arc(129.16,14.95) 128.6,14.27 128.45,13.99 arc(128.34,13.08) 128.82,12.32 arc(129.89,11.97) 130.94,12.39 arc(131.29,13.03) 131.15,13.74 arc(130.92,14.47) 131.03,15.23 131.14,15.5 arc(131.46,16.01) 131.95,16.38 arc(132.91,17.78) 132.2,19.32 131.82,19.6 arc(131.02,20.52) 130.72,21.71 arc(131.33,23.59) 132.94,24.73 arc(136.98,24.99) 140.72,23.44 141.78,22.67 arc(145.49,21.25) 149.42,21.82 151.26,22.6 arc(152.92,24.26) 152.94,26.61 152.91,26.7 arc(152.69,27.69) 152.8,28.69 153.12,29.85 153.81,32.19 arc(153.86,32.8) 153.56,33.34 arc(153.08,34.03) 152.79,34.83 arc(152.41,35.46) 151.74,35.78 148.04,36.77 arc(147.13,36.72) 146.45,36.12
Switch17: length 86.9
  Top w0.25: SW17.1 111,20.49 arc(111.87,20.71) 112.67,20.31 arc(112.99,19.74) 113,19.08 arc(112.66,18.37) 112.05,17.86 111.77,17.7 arc(111.16,17.02) 111.15,16.1 arc(111.75,15.32) 112.7,15.05 112.97,15.06 arc(113.98,15.45) 114.55,16.37 arc(114.56,16.8) 114.39,17.19 113.95,17.81 arc(113.62,18.68) 113.74,19.59 114.09,20.52 arc(114.11,22.27) 113.01,23.63 arc(112.17,24.31) 111.54,25.18 111.25,25.73 arc(110.96,27.61) 111.78,29.32 arc(113.54,30.58) 115.66,31.05 116.46,31.06 arc(119,30.62) 121.19,29.27 arc(124.3,26.97) 127.8,25.35 arc(130.21,24.92) 132.63,25.27 arc(137.09,25.59) 141.23,23.92 142.42,23.08 arc(145.58,21.9) 148.92,22.41 150.76,23.13 arc(152.2,24.51) 152.24,26.51 arc(151.97,27.76) 152.1,29.03 152.37,30.02 arc(152.18,32.1) 150.62,33.49 147.38,34.36 arc(146.47,34.32) 145.79,33.72
Switch18: length 63.7
  Top w0.25: v1(118.35,48.48) 120.14,48.41 arc(120.92,48.93) 120.68,49.83 arc(120.49,50.41) 120.96,50.81 121.17,50.83 arc(121.77,51.36) 121.5,52.1 arc(121.23,52.82) 121.78,53.34 arc(122.22,53.76) 122.01,54.32 121.85,54.44 arc(121.59,55.17) 122.18,55.67 arc(122.71,56.07) 122.59,56.72 arc(122.45,57.5) 123.07,57.99 arc(124.03,57.92) 124.9,57.48 J2.R1 arc(127.77,56.94) 129.82,55.95 J2.R1
  Bottom w0.25: 140.94,32.14 141.51,34.23 arc(141.44,35.44) 140.65,36.36 arc(139.68,36.82) 138.61,36.99 arc(137.47,37.07) 136.35,37.31 132.1,38.47 arc(131.32,38.48) 130.64,38.11 arc(129.88,37.98) 129.45,38.63 129.45,39.18 arc(128.98,39.86) 128.18,39.68 128.01,39.5 arc(127.27,39.36) 126.9,40.02 126.91,40.13 arc(126.53,40.84) 125.73,40.73 125.38,40.41 arc(124.55,40.29) 124.15,41.02 arc(123.81,41.64) 123.12,41.52 122.75,41.16 arc(121.97,41.01) 121.53,41.68 121.53,41.7 arc(121.21,42.18) 120.66,42.05 120.52,41.9 arc(119.79,41.72) 119.36,42.33 arc(119.08,42.85) 118.5,42.91 118.19,42.79 arc(117.54,42.95) 117.46,43.61 arc(117.46,44.16) 117.01,44.48 arc(116.52,44.96) 116.86,45.57 arc(117.17,45.99) 116.97,46.48 arc(116.79,47.09) 117.29,47.5 117.46,47.51 arc(118.1,47.82) v1(118.35,48.48)

## Copper pours and planes (outline as drawn; the poured copper is in the pictures)
gnd on Top, Bottom: 166.36,-5.36 -8.02,-5.36 -8.02,100.37 166.36,100.37

## Text on the board
B.Silkscreen: Chew 0.1
F.Silkscreen: Chew 0.1
